# Altium PCB uTCA_MCH_PCB3.pcbdoc (part 1 of 25) (continued)
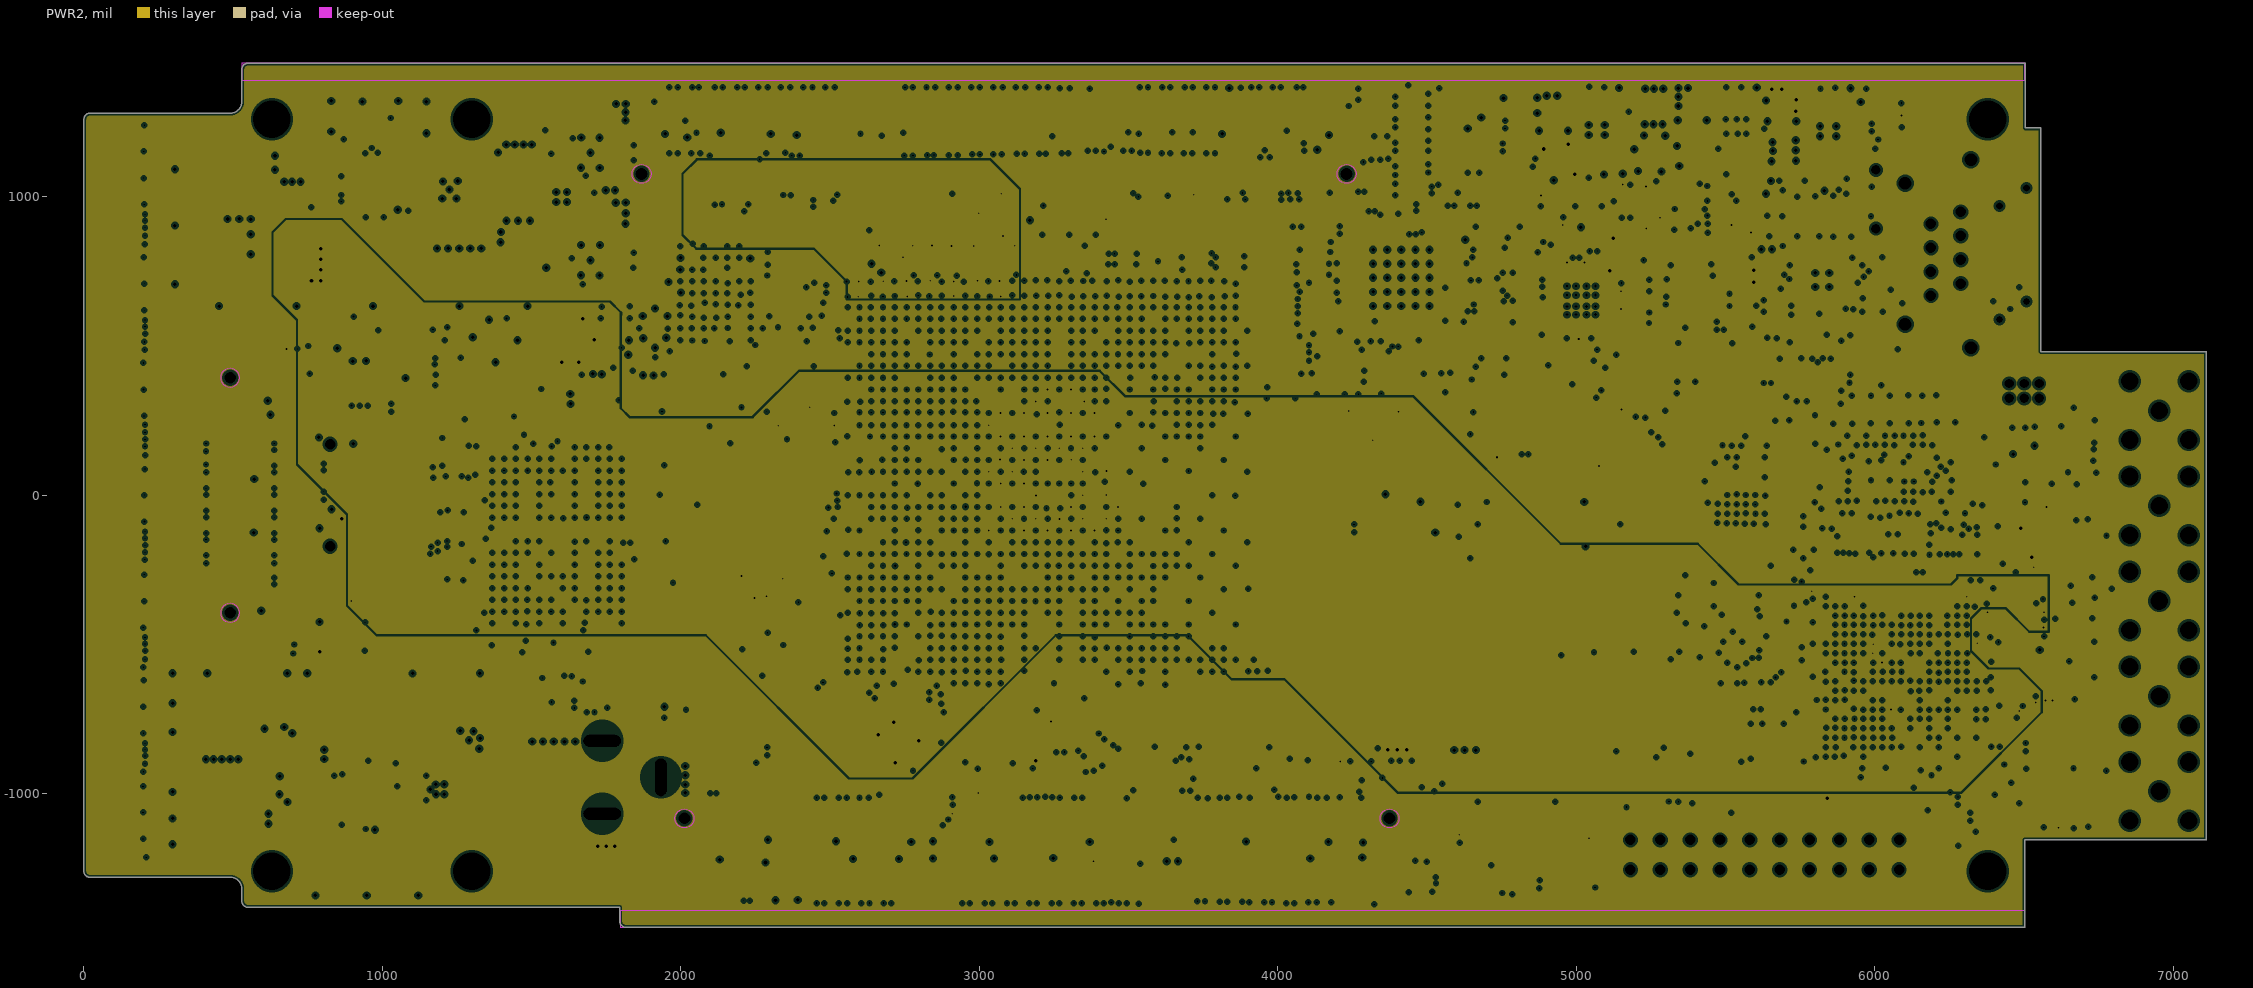
[diagram p7: PWR2, clearances drawn from the general rule]
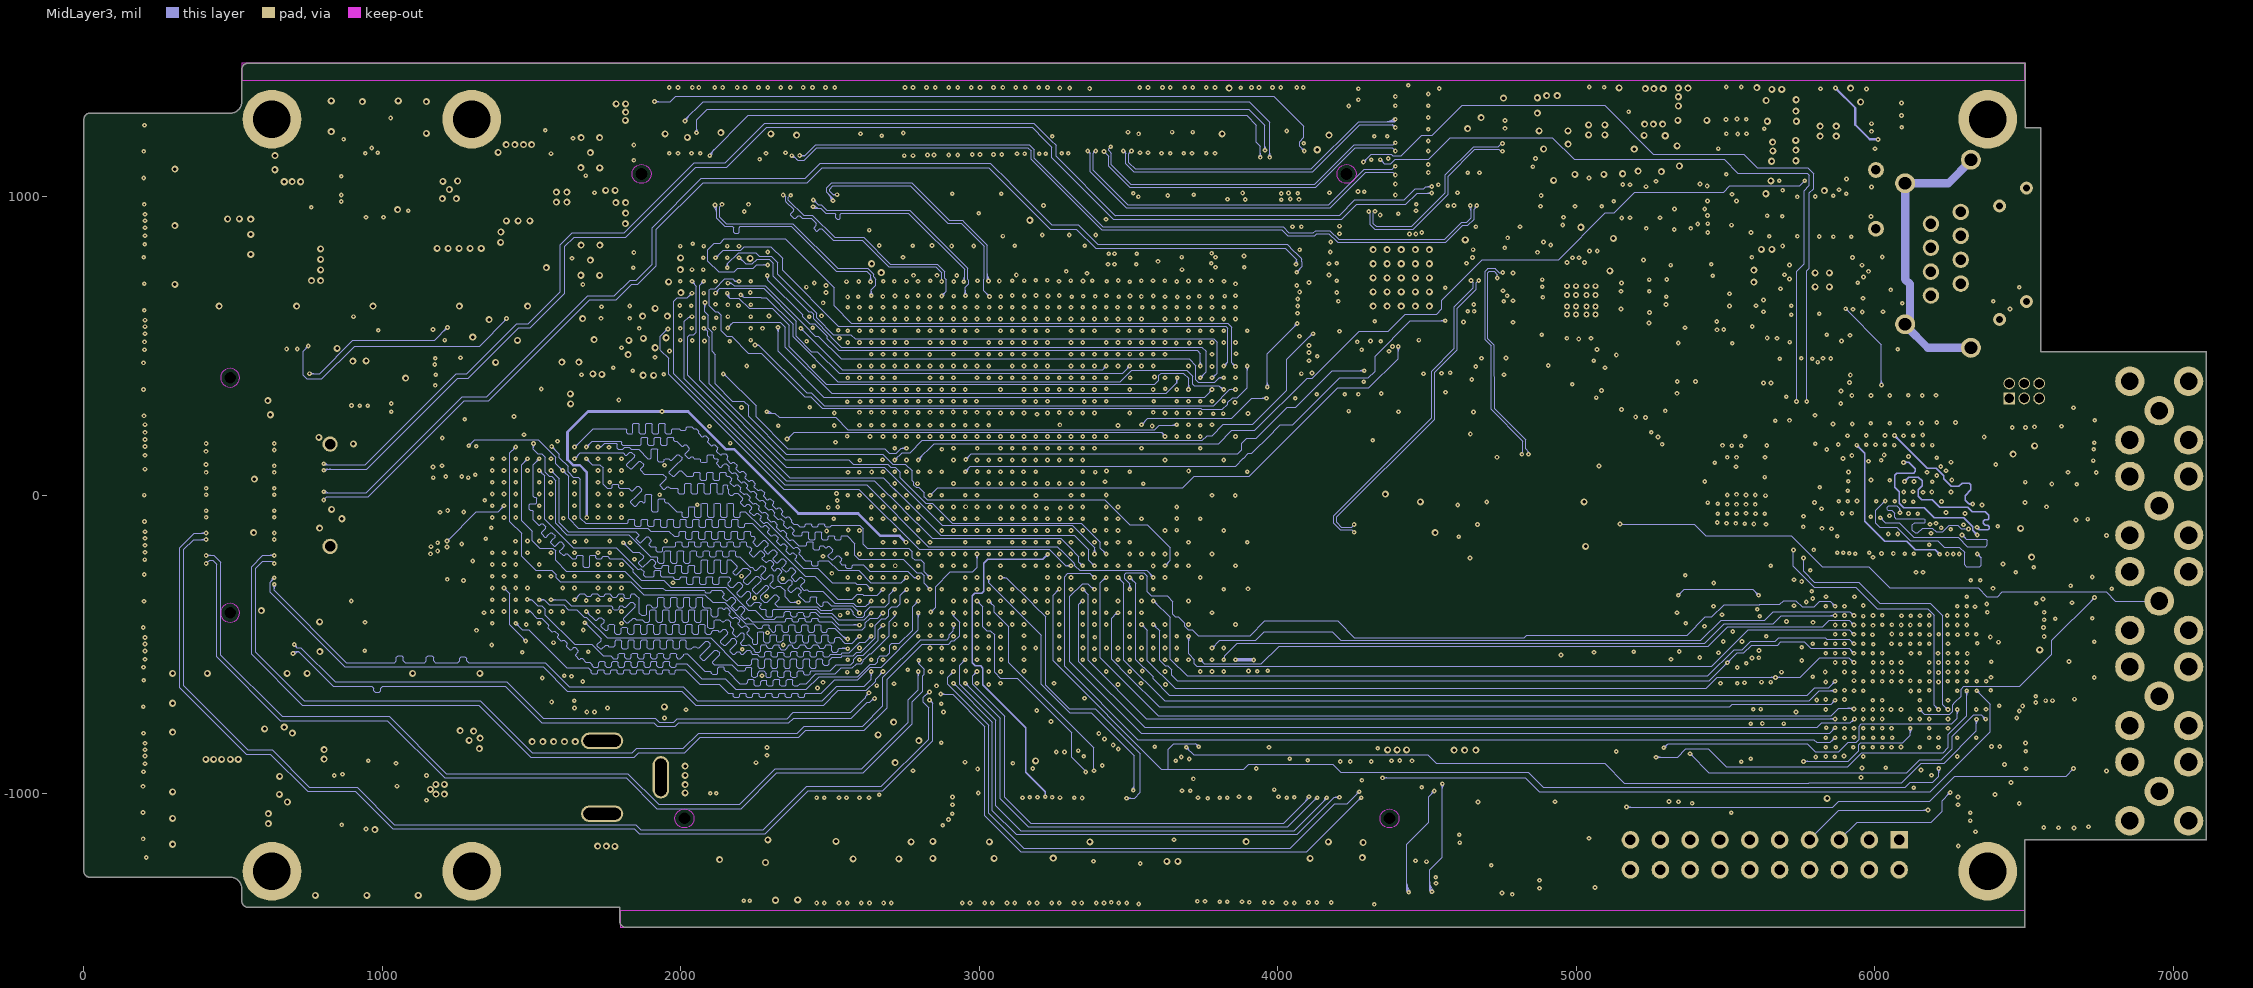
[diagram p8: MidLayer3]
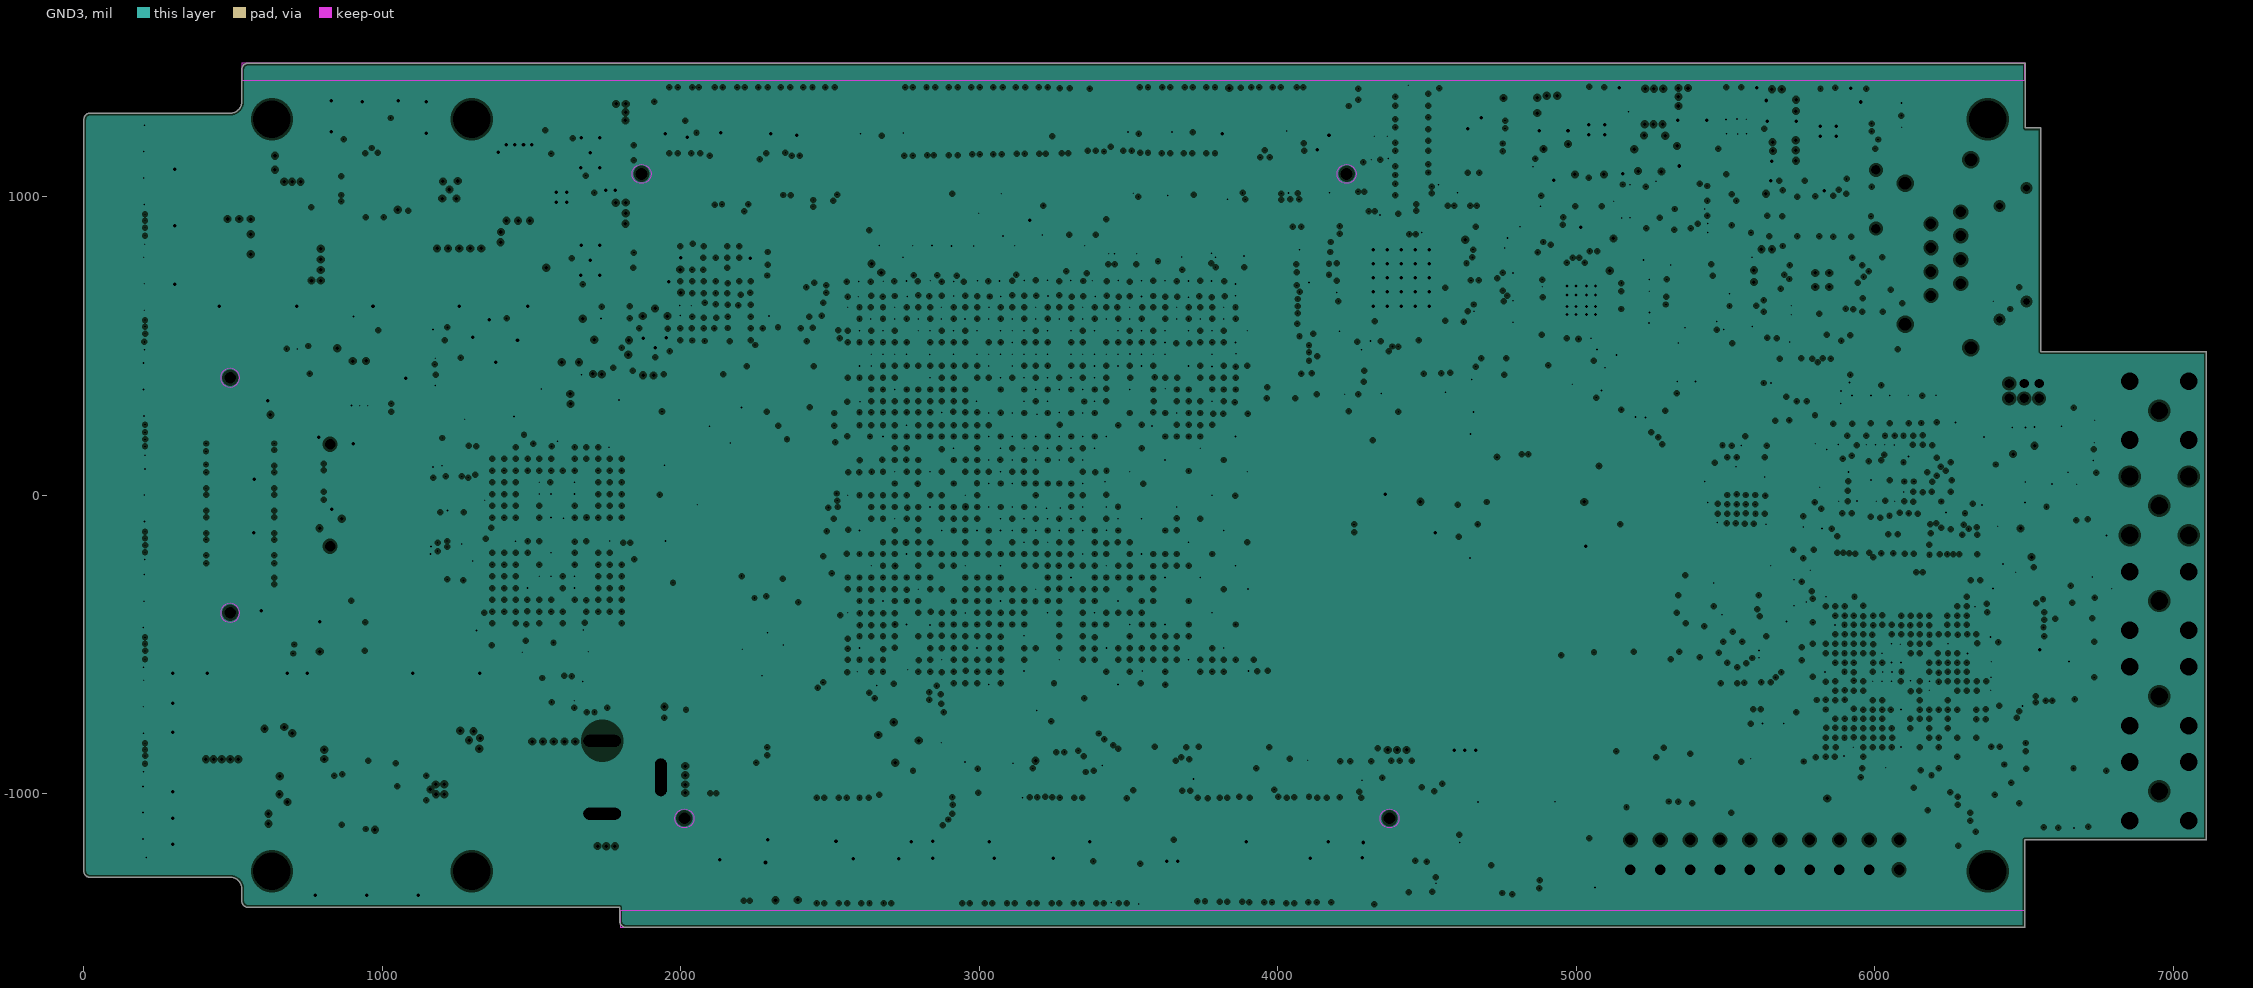
[diagram p9: GND3, clearances drawn from the general rule]
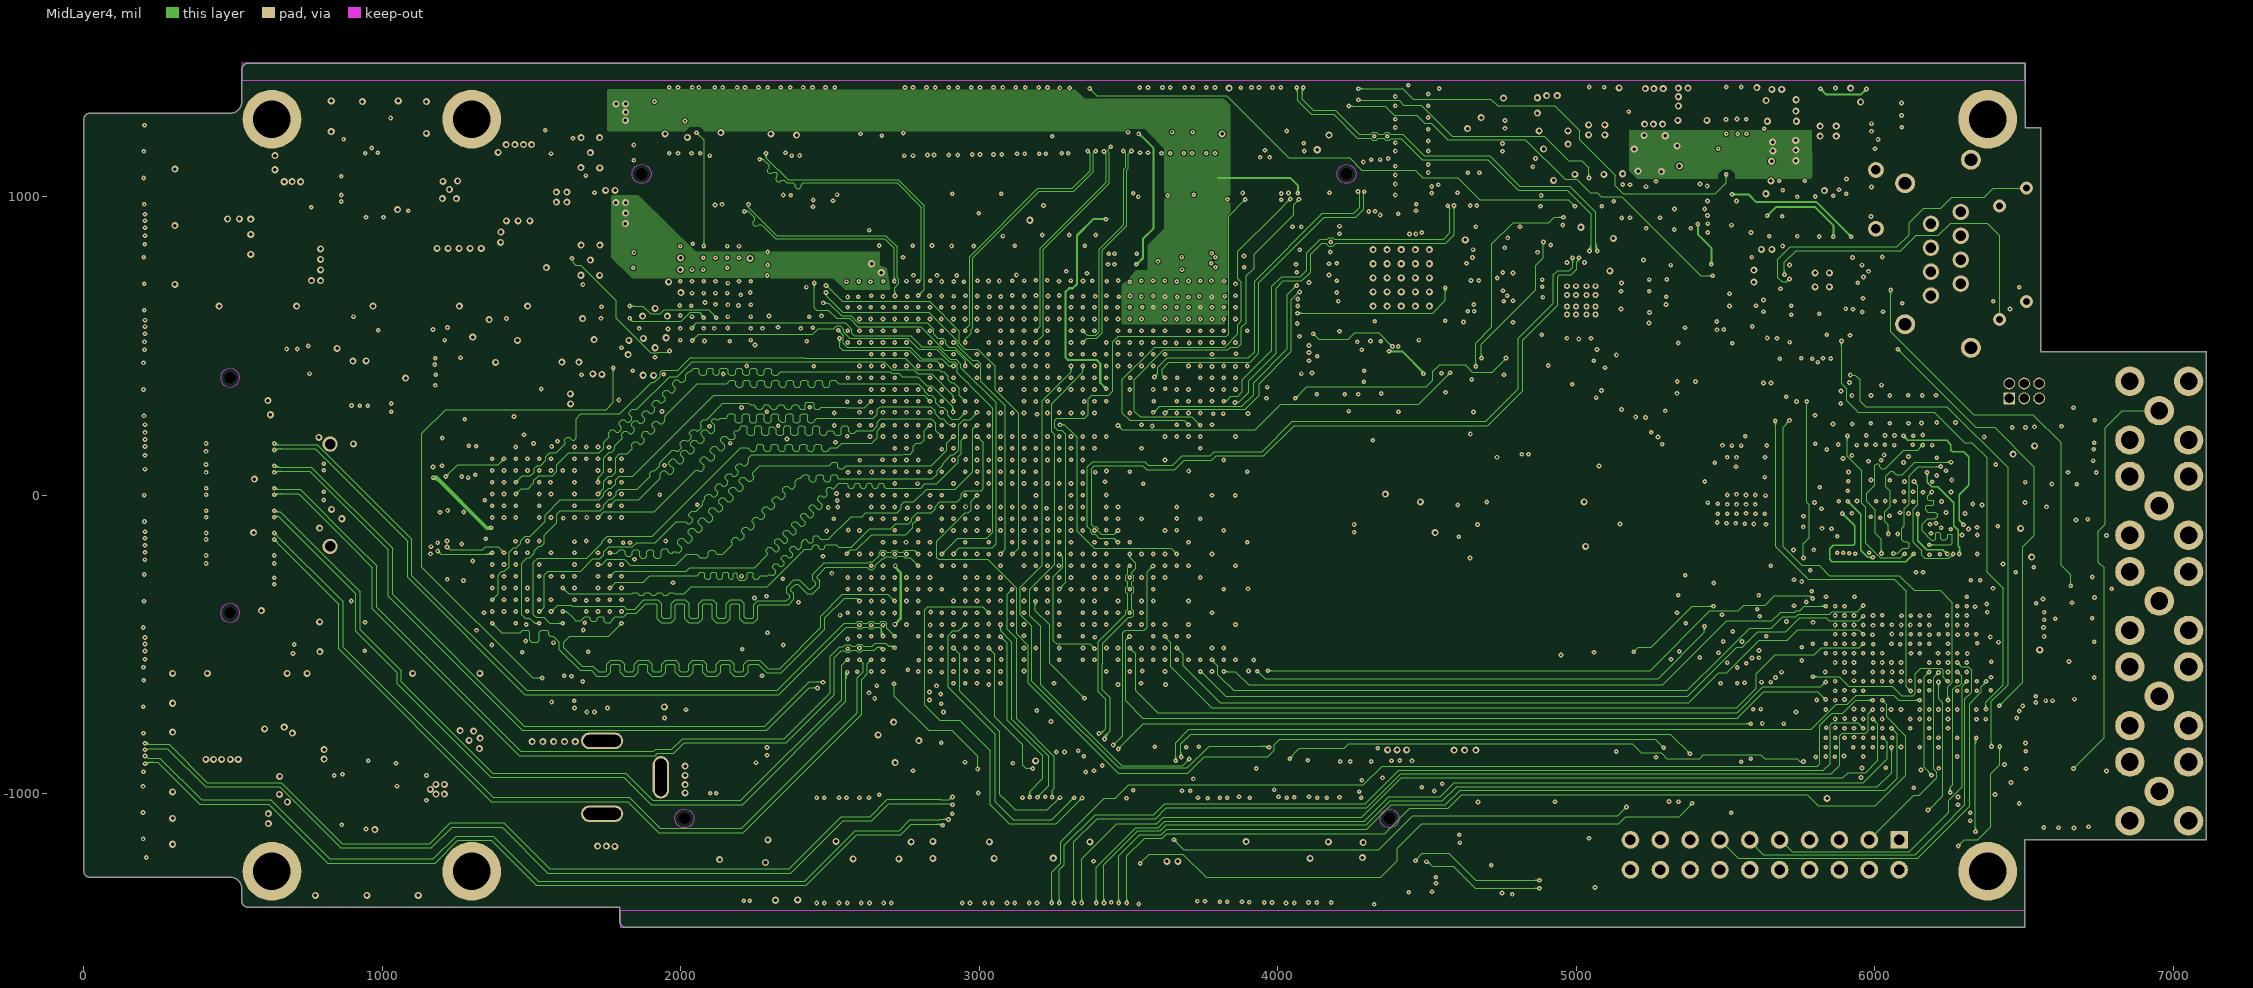
[diagram p10: MidLayer4]
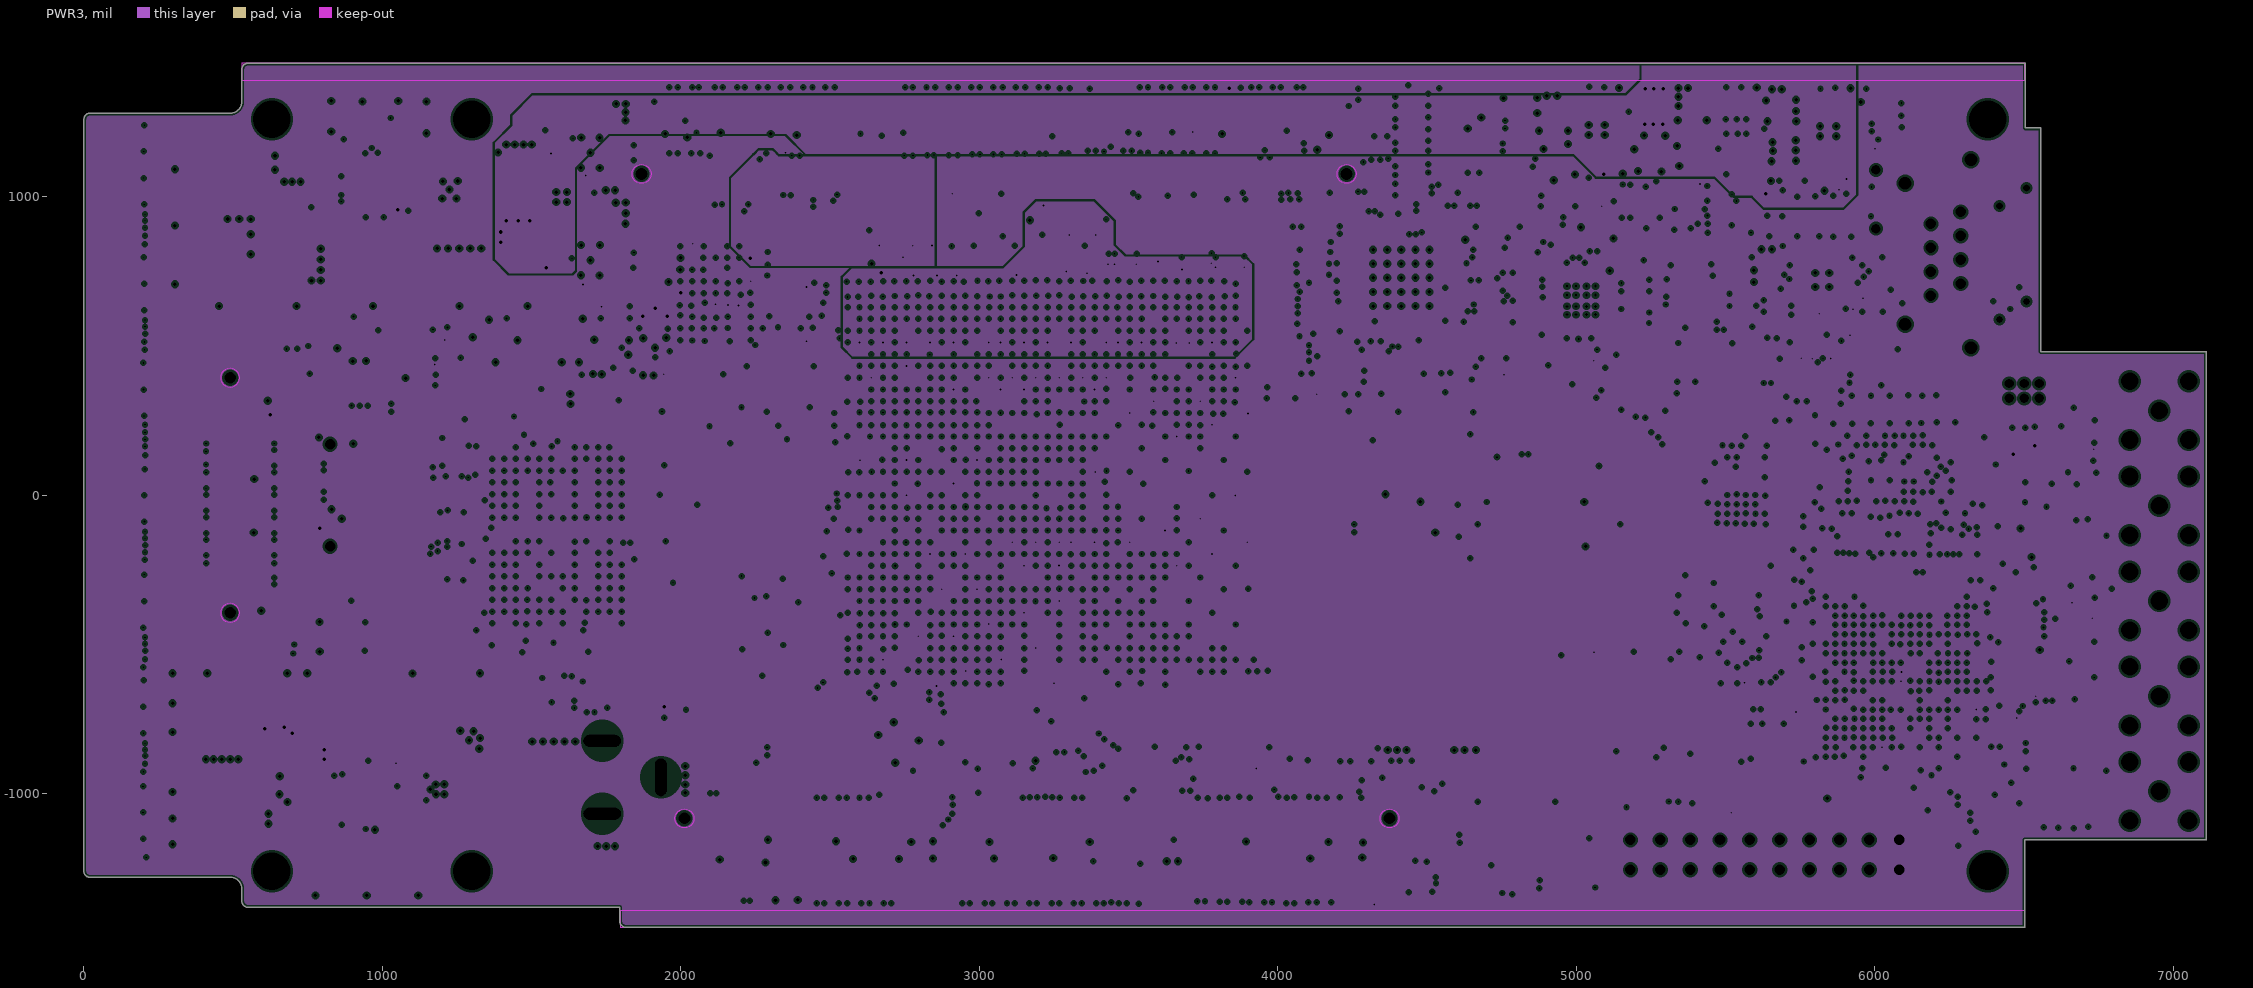
[diagram p11: PWR3, clearances drawn from the general rule]
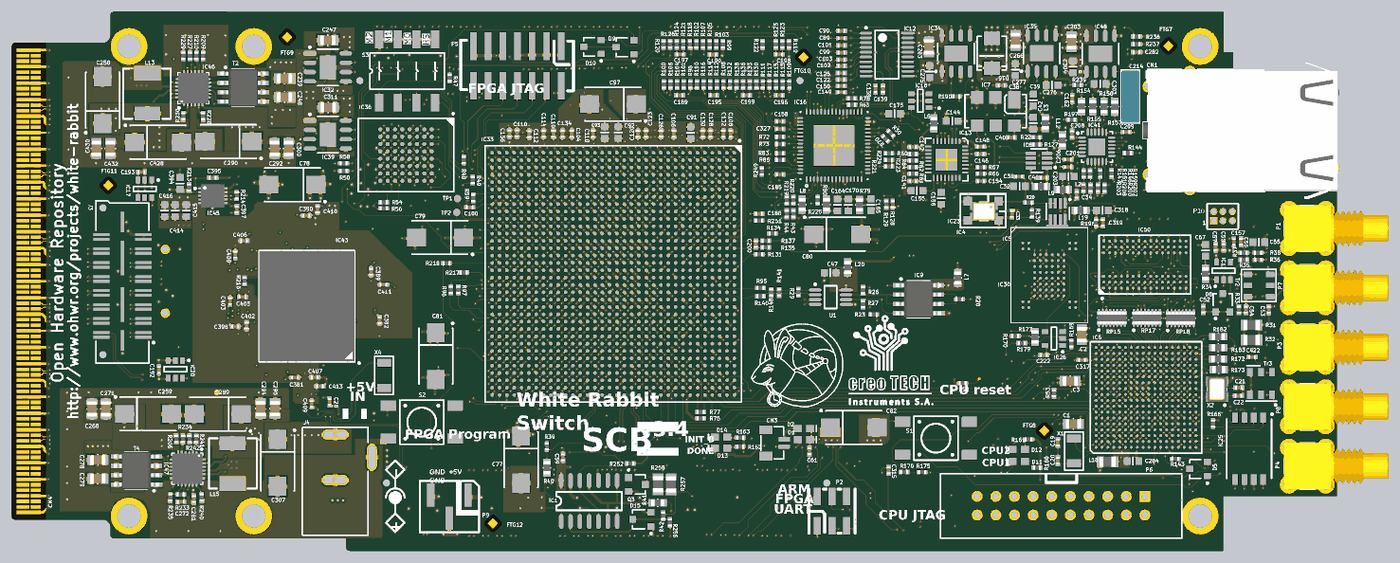
[diagram p36: 3D render of the assembled board from above, using the file's embedded part models]
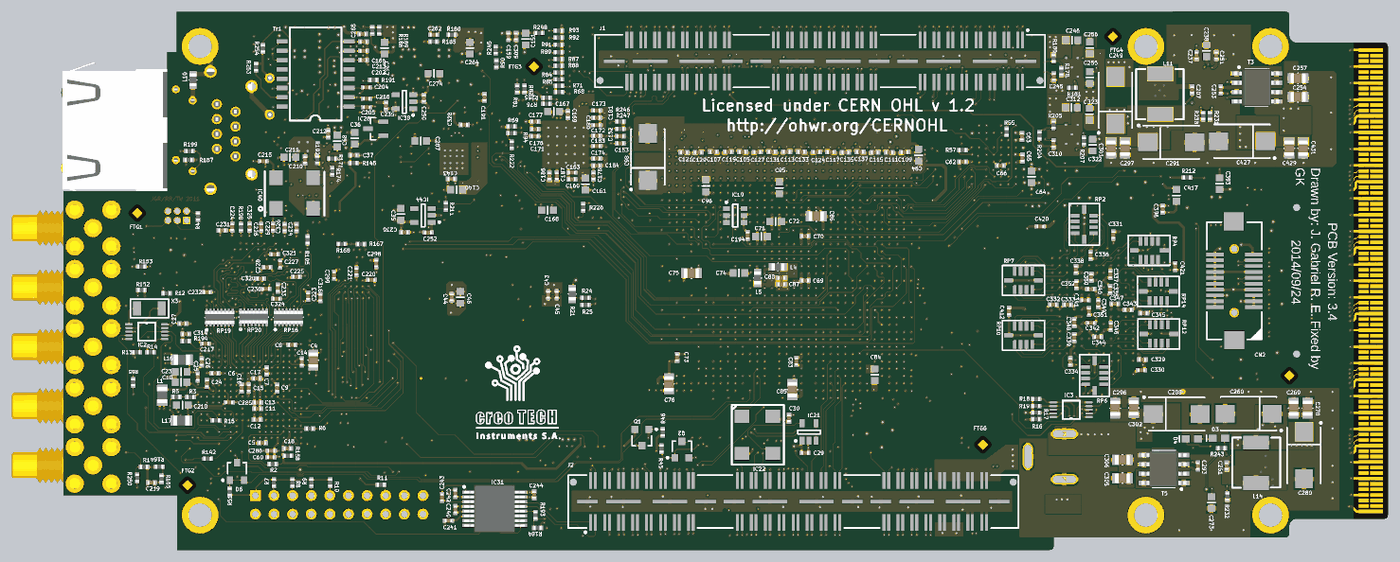
[diagram p37: 3D render of the assembled board from below, using the file's embedded part models]

## Layer stack, top to bottom
Top Layer: signal copper 1.6535
Dielectric: prepreg 2.5591, FR-4, Dk 4.6
GND1: plane copper 0.6693, net (Multiple Nets)
Dielectric: core 5.9055, FR-4, Dk 4.5
MidLayer1: signal copper 0.6693
Dielectric: prepreg 5.1181, FR-4, Dk 4.7
PWR1: plane copper 0.6693, net (Multiple Nets)
Dielectric: core 5.9055, FR-4, Dk 4.5
MidLayer2: signal copper 0.6693
Dielectric: prepreg 5.1181, FR-4, Dk 4.7
GND2: plane copper 0.6693, net GND
Dielectric: core 3.937, FR-4, Dk 4.5
PWR2: plane copper 0.6693, net (Multiple Nets)
Dielectric: prepreg 5.1181, FR-4, Dk 4.7
MidLayer3: signal copper 0.6693
Dielectric: core 5.9055, FR-4, Dk 4.5
GND3: plane copper 0.6693, net GND
Dielectric: prepreg 5.1181, FR-4, Dk 4.6
MidLayer4: signal copper 0.6693
Dielectric: core 5.9055, FR-4, Dk 4.8
PWR3: plane copper 0.6693, net (Multiple Nets)
Dielectric: prepreg 2.5591, FR-4, Dk 4.8
Bottom Layer: signal copper 1.6535

## Board outline
20.16,-1279.74 400.59,-1279.74 365,-1279.74 cw(c365,-1279.53) 364.99,-1279.74 365,-1279.74 490.16,-1279.74 ccw(c490.16,-1279.53) 490.17,-1279.74 cw(c490.16,-1318.9) 529.32,-1318.9 ccw(c529.53,-1318.9) 529.32,-1318.91 529.32,-1360.24 ccw(c549.21,-1360.24) 549.19,-1380.13 ccw(c549.21,-1379.92) 549.21,-1380.13 1795.06,-1380.13 1795.06,-1405.51 ccw(c1795.28,-1405.51) 1795.06,-1405.52 1795.06,-1427.17 ccw(c1814.96,-1427.17) 1814.96,-1447.06 ccw(c1814.96,-1446.85) 1814.97,-1447.06 6501.97,-1447.06 ccw(c6501.97,-1446.85) 6502.18,-1446.85 6502.18,-1153.76 7110.24,-1153.76 ccw(c7110.24,-1153.54) 7110.44,-1153.6 ccw(c7110.24,-1153.54) 7110.45,-1153.54 7110.45,481.3 ccw(c7110.24,481.3) 7110.24,481.51 6555.33,481.51 6555.33,1230.31 ccw(c6555.12,1230.31) 6555.12,1230.53 6504.15,1230.53 6504.15,1446.82 ccw(c6503.94,1446.85) 6504.15,1446.85 ccw(c6503.94,1446.85) 6503.94,1447.06 549.21,1447.06 cw(c549.21,1446.85) 549.23,1447.06 549.21,1447.06 ccw(c549.21,1427.17) 529.32,1427.17 ccw(c529.53,1427.17) 529.32,1427.15 529.32,1318.9 cw(c489.17,1319.88) 489.59,1279.73 ccw(c489.53,1279.53) 489.53,1279.74 375.98,1279.74 ccw(c375.98,1279.53) 375.97,1279.74 18.77,1279.74 ccw(c18.77,1262.73) 6.74,1274.76 ccw(c23.52,1257.97) -0.21,1257.97 -0.21,-1259.36 ccw(c20.16,-1259.36) 5.76,-1273.77 ccw(c20.16,-1259.36)

## Design rules (kind name [scope] priority, off if disabled: settings)
AcuteAngle [All] p1: minimum=6.00000000000000E+0001 checktracksonly=FALSE
Clearance Clearance_Clocks_QDR [InDifferentialPairClass('clocks_QDR') vs all and not(InDifferentialPairClass('clocks_QDR')) and not (isVia) and not (IsPad)and not('Q2_A[18..0]')] p1: gap=10
Clearance Clearance_capas_internas [OnLayer('MidLayer1') or OnLayer('MidLayer2') or OnLayer('MidLayer3')or OnLayer('MidLayer4')] p2: gap=2.95
Clearance [All] p3: gap=3.94
ComponentClearance [NOT (incomponent('ic4') or incomponent('ic23') or incomponent('Tr3') or incomponent('r63') or incomponent('r65') or incomponent('c80') or incomponent('ic42') or incomponent('logo1'))] p1: gap=7 collisioncheckmode=3 verticalgap=10 showdistances=TRUE
DiffPairsRouting DiffPairsRouting_GTX [InDifferentialPairClass('GTX_DIFF')] p1: maxlimit=10.43 minlimit=5.51 mostfreqgap=6.3 toplayer_mingap=5.91 toplayer_prefgap=10.43 midlayer1_maxgap=7.09 midlayer2_maxgap=7.09 midlayer3_maxgap=7.09 midlayer4_maxgap=7.09 bottomlayer_mingap=5.91 bottomlayer_prefgap=10.43 maxuncoupledlength=984.25
DiffPairsRouting [InDifferentialPairClass('All Differential Pairs') and not isvia] p2: maxlimit=19.68 minlimit=7.87 mostfreqgap=10.43 midlayer1_prefgap=10.27 midlayer2_prefgap=10.27 midlayer3_prefgap=10.27 midlayer4_prefgap=10.28 maxuncoupledlength=787.4
FabricationTestPointUsage TestPointUsage [All] p1: valid=0 allowmultiple=FALSE
FabricationTestpoint Testpoint [(IsPad And (OnTopLayer Or OnBottomLayer))] p1: side=3 testpointundercomponent=TRUE minsize=40 maxsize=100 preferedsize=60 minholesize=0 maxholesize=40 preferedholesize=32 testpointgrid=1 allowsidetop=TRUE allowsidebottom=TRUE usegrid=TRUE gridtolerance=0.01
HoleSize [All] p1: absolutevalues=TRUE maxlimit=196.85 minlimit=1 maxpercent=80.000 minpercent=20.000
MatchedLengths MatchedLengths_qdr1_clock_pairs [(InDifferentialPairClass('clocks_QDR1'))] p1: tolerance=27.56 checknetsindiffpair=TRUE checkdiffpairvsdiffpair=TRUE checkothers=TRUE
MatchedLengths MatchedLengths_qdr1 [InDifferentialPairClass('clocks_QDR1') OR InNetClass('Q1_Q[35..0]') or innet('Q1_D[35..0]') OR InNetClass('Q1_A[18..0]') OR InNetClass('Q1_BWS[3..0]')] p2: tolerance=433.07 checknetsindiffpair=TRUE checkdiffpairvsdiffpair=TRUE checkothers=TRUE
MatchedLengths MatchedLengths_DDR [InNet('DDR_*') AND NOT innet('DDR_VREF')] p3: tolerance=100 checknetsindiffpair=TRUE checkdiffpairvsdiffpair=TRUE checkothers=TRUE
MatchedLengths MatchedLengths_QDR2_clocks_pairs [(InDifferentialPairClass('clocks_QDR2'))] p4: tolerance=25 checknetsindiffpair=FALSE checkdiffpairvsdiffpair=TRUE checkothers=FALSE
MatchedLengths MatchedLengths_QDR2 [InDifferentialPairClass('clocks_QDR2')or InNetClass('Q2_A[18..0]') OR InNetClass('Q2_BWS[3..0]') OR InNetClass('Q2_D[35..0]') OR InNetClass('Q2_Q[35..0]')] p5: tolerance=433.07 checknetsindiffpair=FALSE checkdiffpairvsdiffpair=FALSE checkothers=TRUE
MinimumSolderMaskSliver [All vs not (incomponent('IC46') or incomponent('IC47') or incomponent('IC5') or incomponent('IC8') or incomponent('RP15')or incomponent('IC9') or incomponent('IC41') or incomponent('IC45') or incomponent('RP17') or incomponent('RP18') or incomponent('IC31') or incomponent('RP16') or incomponent('RP19') or incomponent('RP20') or incomponent('IC2') or incomponent('IC3'))] p1: minsoldermaskwidth=3.15
ParallelSegment [InNetClass('Q2_A[18..0]') OR InNetClass('Q2_BWS[3..0]') OR InNetClass('Q2_D[35..0]') OR InNetClass('Q2_Q[35..0]') OR InDifferentialPairClass('clocks_QDR2') vs InNetClass('Q2_A[18..0]') OR InNetClass('Q2_BWS[3..0]') OR InNetClass('Q2_D[35..0]') OR InNetClass('Q2_Q[35..0]') OR InNetClass('Q1_A[18..0]') OR InNetClass('Q1_BWS[3..0]') OR InNetClass('Q1_D[35..0]') OR InNetClass('Q1_Q[35..0]')] p1: limit=1000 gap=15.04
PlaneClearance [All] p1: clearance=7.87
PlaneConnect [All] p1: planeconnectstyle=Direct reliefexpansion=20 reliefentries=4 reliefconductorwidth=10 reliefairgap=10
PolygonConnect PolygonConnect_1 [(InPadClass('All Pads')) vs IsNamedPolygon('ThermalPad')] p1: connectstyle=Relief reliefconductorwidth=11.81 reliefentries=4 polygonreliefangle="90 Angle" airgapwidth=10
PolygonConnect PolygonConnect_2 [(InPadClass('All Pads')) vs IsNamedPolygon('ThermalPadPW')] p2: connectstyle=Relief reliefconductorwidth=23.62 reliefentries=4 polygonreliefangle="90 Angle" airgapwidth=10
PolygonConnect PolygonConnect_3 [(InPadClass('All Pads')) vs IsNamedPolygon('ThermalPadCN')] p3: connectstyle=Relief reliefconductorwidth=17.72 reliefentries=4 polygonreliefangle="90 Angle" airgapwidth=10
PolygonConnect [All] p4: connectstyle=Direct reliefconductorwidth=10 reliefentries=4 polygonreliefangle="90 Angle" airgapwidth=10
RoomDefinition U_uTCA_Tongue3 [InComponentClass('U_uTCA_Tongue3')] p1 off: confinementstyle=ConfineIn formatcopy=TRUE lockcomponents=FALSE outline -1500,-3020 500,-3020 500,-2020 -1500,-2020
RoomDefinition U_SMI_Link_7-12 [InComponentClass('U_SMI_Link_7-12')] p2 off: confinementstyle=ConfineIn formatcopy=TRUE lockcomponents=FALSE outline -1500,-3020 500,-3020 500,-2020 -1500,-2020
RoomDefinition U_SCB_PLLs [InComponentClass('U_SCB_PLLs')] p3 off: confinementstyle=ConfineIn formatcopy=TRUE lockcomponents=FALSE outline -1500,-3020 500,-3020 500,-2020 -1500,-2020
RoomDefinition U_SCB_CLKs [InComponentClass('U_SCB_CLKs')] p4 off: confinementstyle=ConfineIn formatcopy=TRUE lockcomponents=FALSE outline -1500,-3020 500,-3020 500,-2020 -1500,-2020
RoomDefinition U_RS232_and_USB_ports [InComponentClass('U_RS232_and_USB_ports')] p5 off: confinementstyle=ConfineIn formatcopy=TRUE lockcomponents=FALSE outline -1500,-3020 500,-3020 500,-2020 -1500,-2020
RoomDefinition U_QDRII_power [InComponentClass('U_QDRII_power')] p6 off: confinementstyle=ConfineIn formatcopy=TRUE lockcomponents=FALSE outline -1500,-3020 500,-3020 500,-2020 -1500,-2020
RoomDefinition U_QDRII_mem [InComponentClass('U_QDRII_mem')] p7 off: confinementstyle=ConfineIn formatcopy=TRUE lockcomponents=FALSE outline -1500,-3020 500,-3020 500,-2020 -1500,-2020
RoomDefinition U_Power_Supply [InComponentClass('U_Power_Supply')] p8 off: confinementstyle=ConfineIn formatcopy=TRUE lockcomponents=FALSE outline -1500,-3020 500,-3020 500,-2020 -1500,-2020
RoomDefinition U_Peripherals_Control [InComponentClass('U_Peripherals_Control')] p9 off: confinementstyle=ConfineIn formatcopy=TRUE lockcomponents=FALSE outline -1500,-3020 500,-3020 500,-2020 -1500,-2020
RoomDefinition U_FPGA_System_Monitor [InComponentClass('U_FPGA_System_Monitor')] p10 off: confinementstyle=ConfineIn formatcopy=TRUE lockcomponents=FALSE outline -1500,-3020 500,-3020 500,-2020 -1500,-2020
RoomDefinition U_FPGA_QDRII [InComponentClass('U_FPGA_QDRII')] p11 off: confinementstyle=ConfineIn formatcopy=TRUE lockcomponents=FALSE outline -1500,-3020 500,-3020 500,-2020 -1500,-2020
RoomDefinition U_FPGA_POWER_DGND [InComponentClass('U_FPGA_POWER_DGND')] p12 off: confinementstyle=ConfineIn formatcopy=TRUE lockcomponents=FALSE outline -1500,-3020 500,-3020 500,-2020 -1500,-2020
RoomDefinition U_FPGA_GTX [InComponentClass('U_FPGA_GTX')] p13 off: confinementstyle=ConfineIn formatcopy=TRUE lockcomponents=FALSE outline -1500,-3020 500,-3020 500,-2020 -1500,-2020
RoomDefinition U_FPGA_Configuration [InComponentClass('U_FPGA_Configuration')] p14 off: confinementstyle=ConfineIn formatcopy=TRUE lockcomponents=FALSE outline -1500,-3020 500,-3020 500,-2020 -1500,-2020
RoomDefinition "U_External WatchDogs" [InComponentClass('U_External WatchDogs')] p15 off: confinementstyle=ConfineIn formatcopy=TRUE lockcomponents=FALSE outline -1500,-3020 500,-3020 500,-2020 -1500,-2020
RoomDefinition U_CPU_JTAG_Power_PLL [InComponentClass('U_CPU_JTAG_Power_PLL')] p16 off: confinementstyle=ConfineIn formatcopy=TRUE lockcomponents=FALSE outline -1500,-3020 500,-3020 500,-2020 -1500,-2020
RoomDefinition U_CPU_IO_Ports [InComponentClass('U_CPU_IO_Ports')] p17 off: confinementstyle=ConfineIn formatcopy=TRUE lockcomponents=FALSE outline -1500,-3020 500,-3020 500,-2020 -1500,-2020
RoomDefinition U_CPU_EBI1_FPGA_Memory [InComponentClass('U_CPU_EBI1_FPGA_Memory')] p18 off: confinementstyle=ConfineIn formatcopy=TRUE lockcomponents=FALSE outline -1500,-3020 500,-3020 500,-2020 -1500,-2020
RoomDefinition U_CPU_DDR2 [InComponentClass('U_CPU_DDR2')] p19 off: confinementstyle=ConfineIn formatcopy=TRUE lockcomponents=FALSE outline -1500,-3020 500,-3020 500,-2020 -1500,-2020
RoomDefinition U_CPU_100M_Ethernet [InComponentClass('U_CPU_100M_Ethernet')] p20 off: confinementstyle=ConfineIn formatcopy=TRUE lockcomponents=FALSE outline -1500,-3020 500,-3020 500,-2020 -1500,-2020
RoomDefinition U_Connectors [InComponentClass('U_Connectors')] p21 off: confinementstyle=ConfineIn formatcopy=TRUE lockcomponents=FALSE outline -1500,-3020 500,-3020 500,-2020 -1500,-2020